# Altium PCB OCP-TimeCardMini-TI_V1.PcbDoc (part 10 of 11) (continued)
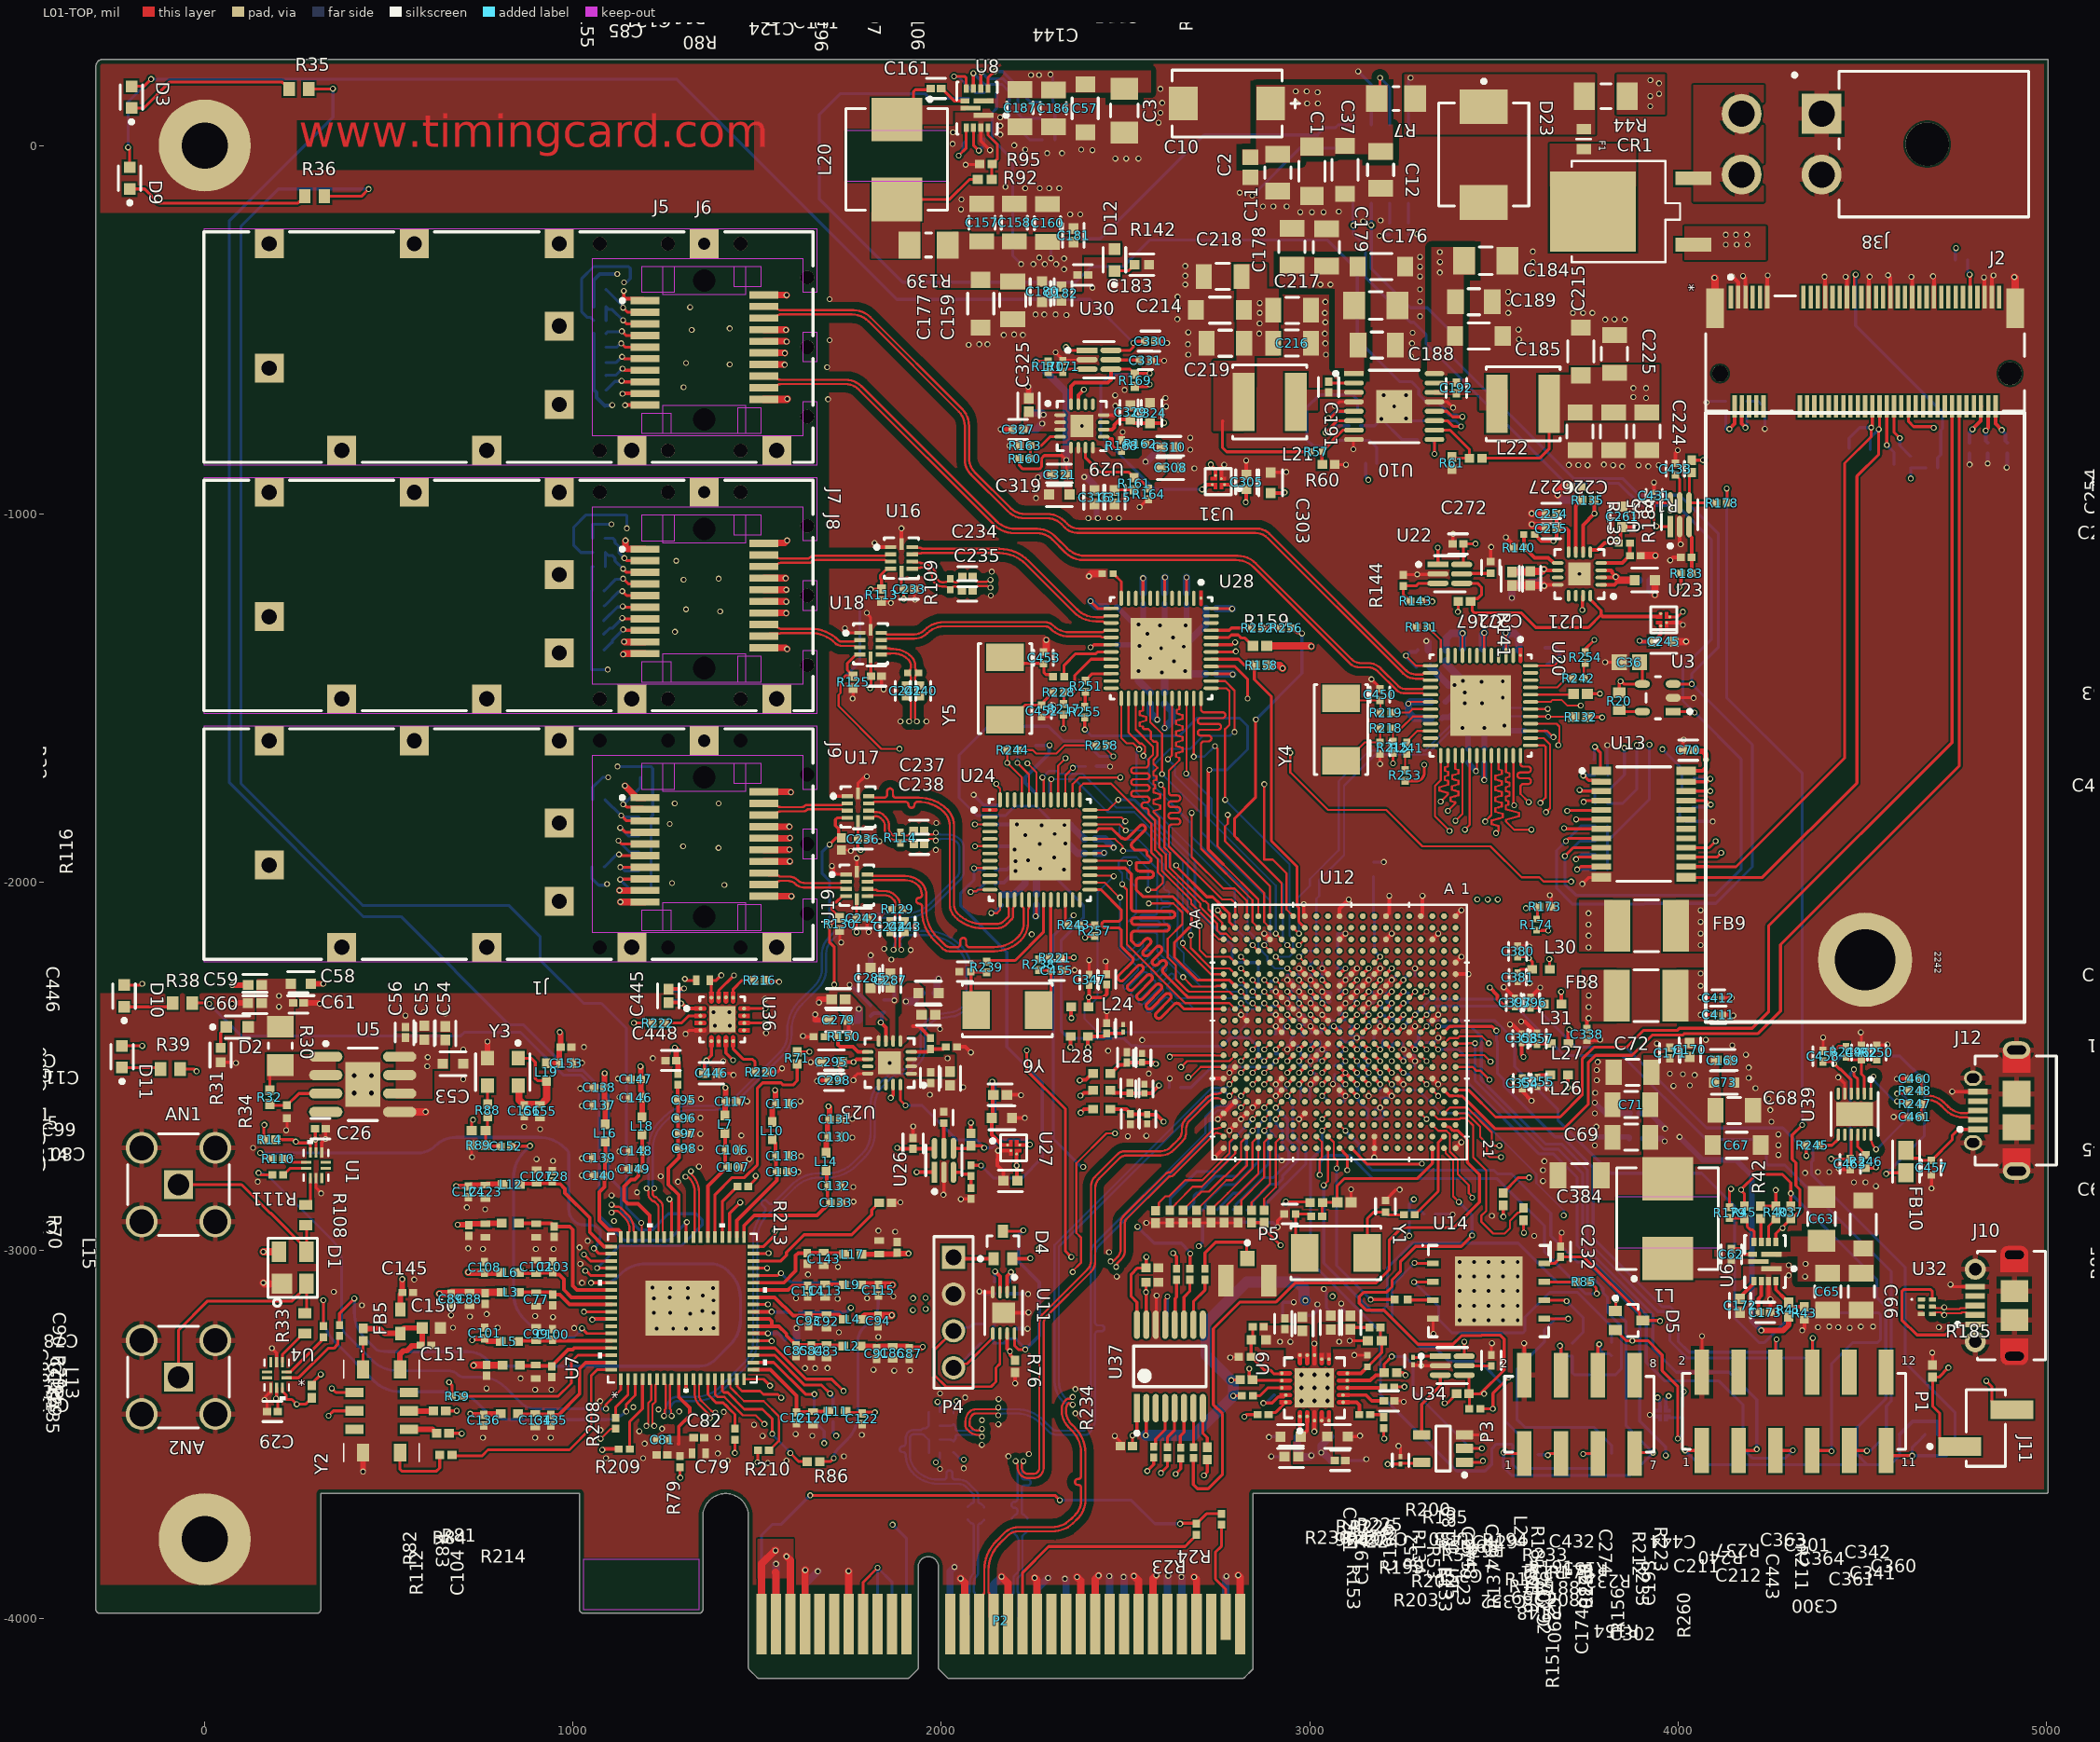
[diagram p0: L01-TOP view]
## Nets (pads, with @x,y where several pads share a name; then routed paths per layer and width w, separated by ;. In a path a pad name is that pad's centre, name@x,y a point inside that pad or via, vN(x,y) a via of type N, cw(c..) or ccw(c..) an arc to the next point about the centre after c; other vN are vias at no path point) (continued)
  L10-BOT w8: C350.1@2932.89,-2562.19 2934.69,-2562.19 2935.86,-2561.02 2935.86,-2554.84 2939.49,-2551.21 v2(2939.49,-2549.05)
VDDA_PLL0: C362.1 C363.1 C364.1 L29.2 U12.N12 | length 673
  L01-TOP w10: L29.2@2459.15,-2519.17 2460.63,-2519.17 2483.93,-2495.87 C363.1@2499.32,-2495.87 ; C363.1@2503.43,-2489.96 2503.62,-2489.77 2544.89,-2489.77 C364.1@2545.08,-2489.57 2578.44,-2489.57 v1(2582.55,-2493.68) ; v2(3002.48,-2454.56) U12.N12@3018.23,-2438.81
  L06-PWR w6.9: 2806.62,-2501.8 3008.58,-2501.8 3018.48,-2491.9 3018.48,-2479.43
  L06-PWR w8: v1(2582.55,-2493.68) 2635.5,-2493.68 2643.98,-2485.2 2735.68,-2485.2 2772.28,-2485.2 2788.89,-2501.8 2806.62,-2501.8 ; v2(3002.48,-2454.56) 3002.48,-2454.83 3016.48,-2468.84 3016.48,-2477.43 3018.48,-2479.43
  L10-BOT w8: v2(3002.48,-2454.56) 3004.01,-2453.03 3004.01,-2437.44 3005.83,-2435.62 3005.83,-2433.82 3007,-2432.65 C362.1@3008.8,-2432.65
VDDA_PLL1: C379.1 C380.1 C381.1 L30.2 U12.H9 | length 150
  L01-TOP w8: C381.1@3564.69,-2246.19 3564.69,-2244.75 3572.52,-2236.93 L30.2@3604.35,-2236.93 3604.35,-2215.86 v1(3594.7,-2206.21) 3592.54,-2206.21 3588.49,-2202.16 C380.1@3564.69,-2202.16
  L01-TOP w10: U12.H9@3175.71,-2344.32 v2(3191.45,-2328.57)
  L10-BOT w8: v2(3191.45,-2328.57) 3191.45,-2330.74 3194.22,-2333.51 3194.22,-2340.95 3195.39,-2342.12 C379.1@3197.19,-2342.12
VDDA_PLL2: C395.1 C396.1 C397.1 L31.2 U12.J11 | length 298.2
  L01-TOP w10: U12.J11@3144.21,-2407.31 v2(3159.96,-2391.57) ; v3(3488.93,-2285.93) 3510.17,-2307.17 3510.17,-2317.81 3531.58,-2339.23 C397.1@3557.37,-2339.23 3558.25,-2340.11 3598.38,-2340.11 C396.1@3599.26,-2340.99 3624.52,-2340.99 3634.68,-2330.84 L31.2@3636.16,-2330.84
  L05-PWR w10: 3431.28,-2343.57 v3(3488.93,-2285.93)
  L10-BOT w8: v2(3159.96,-2391.57) 3161.4,-2390.12 C395.1@3161.4,-2378.29
VDDA_SYS_MON: R173.2 R174.1 U12.K10 | length 89
  L01-TOP w5.8: U12.K10@3112.71,-2375.82 v2(3128.46,-2360.07)
  L01-TOP w8: v1(3587.39,-2070.74) 3617.53,-2070.74 R173.2@3618.67,-2069.6 ; R174.1@3615.92,-2099.56 3618.67,-2096.81 R173.2@3618.67,-2069.6 ; R173.2@3621.42,-2066.85 R173.2@3618.67,-2069.6
VDDAR_0P85_SERDES0: C343.1 C344.1 C345.1 C346.1 C347.1 C348.1 C349.1 L24.2 U12.P11 U12.P12 U12.P13 | length 311
  L01-TOP w10: L24.2@2399.61,-2338.96 2399.61,-2313.09 v1(2400.16,-2312.54) ; C347.1@2401.26,-2279.53 2400.71,-2280.08 2400.71,-2311.99 v1(2400.16,-2312.54) ; C348.1@2448.82,-2278.21 2448.82,-2303.49 2438.98,-2313.33 2400.95,-2313.33 v1(2400.16,-2312.54) ; v2(2970.98,-2486.05) U12.P13@2986.73,-2470.31 ; v2(2970.98,-2454.56) U12.P12@2986.73,-2438.81 ; v2(2970.98,-2391.57) U12.P11@2986.73,-2407.31
  L10-BOT w8: C344.1@2964.85,-2442.78 2966.65,-2442.78 2967.82,-2443.95 2967.82,-2449.23 2970.98,-2452.39 v2(2970.98,-2454.56) 2970.98,-2456.72 2975.61,-2461.35 2975.61,-2469.9 2976.78,-2471.07 C343.1@2978.58,-2471.07 ; C346.1@2984.93,-2418.73 2983.13,-2418.73 2978.03,-2413.62 2978.03,-2400.77 2970.98,-2393.73 v2(2970.98,-2391.57) 2973.15,-2391.57 2977.04,-2387.67 2984.3,-2387.67 2985.47,-2386.5 C345.1@2985.47,-2384.7
  L10-BOT w10: v2(2970.98,-2486.05) 2972.13,-2487.2 2972.13,-2493.88 2977.17,-2498.92 C349.1@2978.97,-2498.92
VDDAR_0P85_USB0: C359.1 C360.1 C361.1 L28.2 U12.T12 | length 717.1
  L01-TOP w10: v1(2398.01,-2448.58) 2397.95,-2448.52 L28.2@2397.95,-2419.04 2442.32,-2419.04 2448.82,-2412.54 C360.1@2448.82,-2410.74 2491.02,-2410.74 2493.16,-2408.61 C361.1@2493.16,-2406.81 ; v2(2907.99,-2454.56) U12.T12@2923.74,-2438.81
  L06-PWR w10: v1(2398.01,-2448.58) 2436.12,-2410.47 2778.7,-2410.47 2791.09,-2422.86 2876.29,-2422.86 v2(2907.99,-2454.56)
  L10-BOT w8: v2(2907.99,-2454.56) 2907.99,-2466.25 C359.1@2915.18,-2466.25
VPP_1V8: J11.1 R185.1 U12.G15 | length 2331.6
  L01-TOP w5.8: U12.G15@3207.2,-2533.3 v2(3222.95,-2549.05)
  L01-TOP w8: v1(4734.06,-3318.35) 4708.29,-3344.11 R185.1@4691.17,-3344.11 4691.17,-3422.43 4710.5,-3441.76 4710.5,-3511.28 4731.5,-3532.28 J11.1@4764.76,-3532.28
  L08-SIG w8: v1(3689.9,-2904.64) 3844.19,-3058.93 4212.27,-3058.93 4261.98,-3108.64 4688.26,-3108.64 4705.6,-3125.98 4759.84,-3125.98 4780.51,-3146.65 4780.51,-3208.66 4734.06,-3255.11 v1(4734.06,-3318.35)
  L10-BOT w5.8: v2(3222.95,-2549.05) 3238.44,-2564.54 3295.03,-2564.54 3357.34,-2626.84 3448.96,-2626.84 3615.26,-2793.15 3615.26,-2817.08 3689.9,-2891.72 v1(3689.9,-2904.64)
pads on no net: J2. J2.1 J2.6 J2.7 J2.8 J2.9 J2.10 J2.21 J2.23 J2.24 J2.25 J2.26 J2.28 J2.29 J2.30 J2.31 J2.32 J2.34 J2.36 J2.37 J2.38 J2.41 J2.43 J2.47 J2.49 J2.52 J2.53 J2.54 J2.55 J2.56 J2.58 J2.59 J2.60 J2.61 J2.63 J2.65 J2.66 J2.68 J2.69 J2.75 J6.MH1 J6.MH2 J8.MH1 J8.MH2 J9.MH1 J9.MH2 J10.4 J12.4 J38. P1.4 P1.10 P1.12 P2.A5 P2.A6 P2.A7 P2.A8 P2.A19 P2.A21 P2.A22 P2.A25 P2.A26 P2.A29 P2.A30 P2.A32 P2.B5 P2.B6 P2.B9 P2.B10 P2.B11 P2.B12 P2.B19 P2.B20 P2.B23 P2.B24 P2.B27 P2.B28 P2.B30 P3.8 U1.5 U1.6 U1.7 U4.5 U4.6 U4.7 U5.4 U11.1 U12.A7 U12.A8 U12.A9 U12.A10 U12.A11 U12.A15 U12.A17 U12.AA4 U12.AA5 U12.B6 U12.B7 U12.B8 U12.B9 U12.B10 U12.B14 U12.B15 U12.B17 U12.C6 U12.C7 U12.C8 U12.C9 U12.C13 U12.C14 U12.C17 U12.C20 U12.D6 U12.D7 U12.D9 U12.D14 U12.D16 U12.D17 U12.D19 U12.D20 U12.D21 U12.E6 U12.E7 U12.E9 U12.E14 U12.E15 U12.E16 U12.E20 U12.E21 U12.F12 U12.F17 U12.F18 U12.F19 U12.F20 U12.F21 U12.G13 U12.G17 U12.G18 U12.G19 U12.G20 U12.G21 U12.H16 U12.H17 U12.H18 U12.H19 U12.J16 U12.J17 U12.J18 U12.J19 U12.J20 U12.J21 U12.K1 U12.K2 U12.K18 U12.K19 U12.K20 U12.L20 U12.N16 U12.N17 U12.N21 U12.P4 U12.P16 U12.P17 U12.P19 U12.R3 U12.R5 U12.R17 U12.R18 U12.R19 U12.R20 U12.R21 U12.T2 U12.T4 U12.T6 U12.T19 U12.T21 U12.U5 U12.U6 U12.V3 U12.V6 U12.V16 U12.W3 U12.W4 U12.W15 U12.W19 U12.Y4 U12.Y18 U13.17 U13.18 U13.19 U13.20 U20.1 U20.2 U20.4 U20.5 U20.7 U20.8 U20.10 U20.11 U20.21 U20.23 U20.24 U21.11 U21.13 U21.14 U24.1 U24.2 U24.4 U24.5 U24.7 U24.8 U24.10 U24.11 U24.21 U24.23 U24.24 U25.11 U25.13 U25.14 U28.1 U28.2 U28.4 U28.5 U28.7 U28.8 U28.10 U28.11 U28.21 U28.23 U28.24 U29.11 U29.13 U29.14 U32.1 U32.2 U36.3 U36.6 U36.9 U36.11 U36.14 U37.3 U37.9 U39.6 U39.8 U39.11 Y2.4 Y2.9

## Polygon pours and split planes (outlines as drawn)
GND on L02-GND "GND_L02_P119" (solid, remove dead copper, pour order 119): 296.41,-3964 296.41,-3640 1036.41,-3640 1036.41,-3964 1333.41,-3964 1333.41,-3682 1378.41,-3637 1450.41,-3637 1496.41,-3683 1496.41,-4131 1507.41,-4142 1905.41,-4142 1917.41,-4130 1917.41,-3838 1949.41,-3806 1977.41,-3806 2009.41,-3838 2009.41,-4131 2022.41,-4144 2815.41,-4144 2829.41,-4130 2829.41,-3643 5005.01,-3643 5005.01,214.08 -265.51,214.08 -277.59,202 -277.59,-3964
P1V2 on L08-SIG "P1V2_L08_P087" (solid, remove dead copper, pour order 87): 3277.73,-2321.9 3033.97,-2321.9 3033.97,-1996.29 3555.12,-1996.29 3555.12,-2321.84 3268.16,-2321.84 3268.16,-2321.9
SOC_DVDD3V3 on L08-SIG "SOC_DVDD3V3_L08_P079" (solid, remove dead copper, pour order 79): 3207.42,-2427.66 3207.42,-2533.18 3275.94,-2533.18 3275.94,-2427.66
SOC_DVDD1V8 on L08-SIG "SOC_DVDD1V8_L08_P086" (solid, remove dead copper, pour order 86): 3308.97,-2427.66 3049.47,-2427.66 3049.47,-2607.34 3320.94,-2607.34 3320.94,-2424.23 3295.02,-2424.23
P3V3 on L08-SIG "P3V3_L08_P084" (solid, remove dead copper, pour order 84): 3071.99,-3085.92 3108.51,-3122.44 3204.3,-3122.44 3320.94,-3239.08 3556.32,-3239.08 3671.64,-3354.4 4048.29,-3354.4 4064.96,-3371.07 4064.96,-3571.29 3606.44,-3571.29 3585.64,-3592.08 2899.38,-3592.08 2820.92,-3513.63 2820.92,-3162.95 2897.95,-3085.92
GND on L01-TOP "GND_L01_P110" (solid, remove dead copper, pour order 110): 1717.34,233.94 -295.45,233.94 -295.45,-182.92 1696.24,-182.92 1696.24,-2301.73 -295.45,-2301.73 -295.45,-3908.24 5005.01,-3908.24 5005.01,248.03 3779.53,248.03
SOC_DVDD1V8 on L01-TOP "SOC_DVDD1V8_L01_P047" (solid, remove dead copper, pour order 47): 3826.29,-2048.22 3731.26,-2048.22 3731.26,-2188.18 3823.98,-2188.18
P12V_PCIE on L01-TOP "P12V_PCIE_L01_P069" (solid, remove dead copper, pour order 69): 1500.82,-3784.58 1500.82,-3889.37 1598.51,-3889.37 1598.51,-3783.1 1502.5,-3783.1
P2V5_PHY2 on L01-TOP "P2V5_PHY2_L01_P058" (solid, remove dead copper, pour order 58): 1883.77,-2431.5 1883.77,-2366.63 1893.61,-2356.79 1893.61,-2288 1907.39,-2274.22 1937.67,-2274.22 1951.29,-2287.84 1951.29,-2337.81 1960.31,-2346.83 1960.31,-2384.69 1929.24,-2415.75 1905.43,-2415.75 1905.43,-2430.52 1893.61,-2442.33
P1V8_PHY2 on L01-TOP "P1V8_PHY2_L01_P057" (solid, remove dead copper, pour order 57): 1873.93,-2431.5 1873.93,-2334.02 1883.86,-2324.1 1883.86,-2280.91 1874.43,-2271.49 1824.25,-2271.49 1821.51,-2274.22 1793.96,-2274.22 1793.96,-2304.72 1860.26,-2371.03 1860.26,-2427.68 1864.09,-2431.5
P1V1_PHY2 on L01-TOP "P1V1_PHY2_L01_P055" (solid, remove dead copper, pour order 55): 1834.56,-2431.5 1834.56,-2411.87 1816.77,-2394.09 1787.31,-2394.09 1787.31,-2339.33 1752.97,-2304.99 1723.86,-2304.99 1723.86,-2350.01 1734.02,-2360.17 1734.02,-2404.87 1739.34,-2410.19 1739.34,-2427.9 1759.02,-2427.9 1762.62,-2431.5 1829.64,-2431.5
P3V3 on L01-TOP "P3V3_L01_P053" (solid, remove dead copper, pour order 53): 2006.62,-2475.79 2006.62,-2468.45 2036.46,-2468.45 2036.46,-2528.54 1980.53,-2528.54 1980.53,-2528.22 1907.39,-2528.22 1907.39,-2475.79
P1V1_PHY1 on L01-TOP "P1V1_PHY1_L01_P052" (solid, remove dead copper, pour order 52): 2406.19,-820.37 2406.19,-847.3 2435.23,-876.34 2535.28,-876.34 2565.9,-906.96 2593.02,-906.96 2608.39,-891.59 2608.39,-813.98 2595.1,-800.69 2554.22,-800.69 2544.45,-810.45 2544.45,-840.19 2534.61,-850.03 2460.5,-850.03 2430.84,-820.37 2416.03,-820.37
P1V8_PHY1 on L01-TOP "P1V8_PHY1_L01_P051" (solid, remove dead copper, pour order 51): 2362.59,-817.77 2362.59,-866.14 2362.59,-947.78 2483.07,-947.78 2483.07,-878.94 2386.5,-878.94 2386.5,-820.37
P2V5_PHY1 on L01-TOP "P2V5_PHY1_L01_P050" (solid, remove dead copper, pour order 50): 2356.71,-815.15 2356.71,-934 2361.6,-934 2361.6,-961.56 2334.04,-961.56 2334.04,-907.64 2324.08,-907.64 2324.08,-815.15
P3V3 on L01-TOP "P3V3_L01_P049" (solid, remove dead copper, pour order 49): 2223.84,-723.27 2333.35,-723.27 2333.35,-776.08 2222.89,-776.08 2222.89,-725.64 2228.89,-725.64
SOC_DVDD3V3 on L01-TOP "SOC_DVDD3V3_L01_P048" (solid, remove dead copper, pour order 48): 3833.35,-2238.27 3738.54,-2238.27 3738.54,-2378.23 3833.35,-2378.23
P3V3 on L01-TOP "P3V3_L01_P046" (solid, remove dead copper, pour order 46): 3992.86,-2238.27 4074.8,-2238.27 4074.8,-2378.23 4001.63,-2378.23
P1V8 on L01-TOP "P1V8_L01_P045" (solid, remove dead copper, pour order 45): 3994.43,-2048.22 4074.8,-2048.22 4074.8,-2188.18 3994.43,-2188.18
P0V75 on L01-TOP "P0V75_L01_P044" (solid, remove dead copper, pour order 44): 4040.53,-2864.22 4040.53,-2765.63 4116.01,-2765.63 4116.01,-2557.57 4111.86,-2557.57 4111.86,-2470.54 3906.28,-2470.54 3906.28,-2747.55 3769.59,-2747.55 3769.59,-2864.22 3942.57,-2864.22
NetC62_1 on L01-TOP "NETC62_1_L01_P043" (solid, remove dead copper, pour order 43): 4218.43,-3023.28 4092.45,-3023.28 4092.45,-2988.19 4004.13,-2988.19 4004.13,-3074.95 4170.92,-3074.95 4170.92,-3037.06 4205.58,-3037.06
P12V on L01-TOP "P12V_L01_P042" (solid, remove dead copper, pour order 42): 4239.96,-3003.59 4306.39,-3003.59 4306.39,-2962.65 4427.06,-2962.65 4427.06,-2972.57 4531.18,-2972.57 4531.18,-3084.36 4325.03,-3084.36 4325.03,-3017.37 4264.69,-3017.37
P1V8_CPU_ANA on L01-TOP "P1V8_CPU_ANA_L01_P041" (solid, remove dead copper, pour order 41): 2998.78,-3292.48 2998.78,-3203.93 2886.24,-3203.93 2886.24,-3196.81 2864.2,-3196.81 2864.2,-3230.28 2868.6,-3230.28 2868.6,-3263.97 2935.86,-3263.97 2935.86,-3292.48
P0V85 on L01-TOP "P0V85_L01_P040" (solid, remove dead copper, pour order 40): 3057.28,-3295.24 3057.28,-3261.54 3123.38,-3261.54 3123.38,-3199.59 3096.91,-3199.59 3096.91,-3200.53 3027.12,-3200.53 3027.12,-3295.24 3027.67,-3295.24
P3V3 on L01-TOP "P3V3_L01_P039" (solid, remove dead copper, pour order 39): 2962,-3491.65 3027.12,-3491.65 3027.12,-3453.5 3057.83,-3453.5 3057.83,-3491.58 3061.81,-3491.58 3061.81,-3560 3079.18,-3560 3079.18,-3580.16 2955.07,-3580.16 2955.07,-3519.21 2962,-3519.21
P1V8_DPLL on L01-TOP "P1V8_DPLL_L01_P038" (solid, remove dead copper, pour order 38): 241.86,-2421.8 241.86,-2338.33 265.92,-2338.33 265.92,-2318.16 247.17,-2318.16 247.17,-2262.07 139.64,-2262.07 139.64,-2266.19 140.59,-2266.19 140.59,-2377.57 102.25,-2377.57 102.25,-2421.8 185.72,-2421.8
P1V8_SENSE on L01-TOP "P1V8_SENSE_L01_P037" (solid, remove dead copper, pour order 37): 344.91,-2537.74 169.02,-2537.74 169.02,-2467.07 356.07,-2467.07 356.07,-2523.17
P3V3 on L01-TOP "P3V3_L01_P036" (solid, remove dead copper, pour order 36): 555.18,-2410.66 555.18,-2413.55 639.62,-2413.55 639.62,-2414.47 666.09,-2414.47 666.09,-2443.58 660.19,-2443.58 660.19,-2506.64 617.67,-2506.64 617.67,-2587.74 519.33,-2587.74 519.33,-2410.66 545.1,-2410.66
DPLL_VDD_DIG on L01-TOP "DPLL_VDD_DIG_L01_P035" (solid, remove dead copper, pour order 35): 1245.9,-3503.46 1316.11,-3503.46 1316.11,-3498.54 1338.99,-3498.54 1338.99,-3518.7 1331.75,-3518.7 1331.75,-3565.01 1244.5,-3565.01 1244.5,-3544.85 1245.9,-3544.85 1245.9,-3523.62
P1V8 on L01-TOP "P1V8_L01_P034" (solid, remove dead copper, pour order 34): 3650.3,-622.51 3709.12,-622.51 3709.12,-602.28 3794.02,-602.28 3794.02,-595.13 3948.98,-595.13 3948.98,-746.59 3689.85,-746.59 3689.85,-779.99 3650.3,-779.99
NetC192_1 on L01-TOP "NETC192_1_L01_P033" (solid, remove dead copper, pour order 33): 3338.69,-663.58 3538.09,-663.58 3538.09,-719.52 3460.54,-719.52 3460.54,-677 3338.69,-677
P12V on L01-TOP "P12V_L01_P031" (solid, remove dead copper, pour order 31): 3448.8,-275.49 3448.8,-350.54 3418.52,-350.54 3418.52,-457.64 3415.93,-457.64 3415.93,-625.82 3318.71,-625.82 3318.71,-533.84 3330.06,-533.84 3330.06,-275.49 3397.33,-275.49
P12V on L01-TOP "P12V_L01_P030" (solid, remove dead copper, pour order 30): 3063.64,-388.07 2918.46,-388.07 2918.46,-302.22 3011.87,-302.22 3011.87,-304.1 3079.05,-304.1 3079.05,-302.4 3151.32,-302.4 3151.32,-355.55 3149.92,-355.55 3149.92,-508.2 3154.55,-508.2 3154.55,-575.37 3146.83,-575.37 3146.83,-625.82 3093.47,-625.82 3093.47,-603.72 3069.11,-603.72 3069.11,-388.43 3047.24,-388.43
NetC191_2 on L01-TOP "NETC191_2_L01_P029" (solid, remove dead copper, pour order 29): 2946.97,-663.58 2946.97,-719.52 3021.59,-719.52 3021.59,-682 3140.91,-682 3140.91,-663.58
P1V2 on L01-TOP "P1V2_L01_P028" (solid, remove dead copper, pour order 28): 2850.15,-655.67 2850.15,-570.46 2915.23,-570.46 2915.23,-389.09 2883.44,-389.09 2883.44,-321.91 2801.32,-321.91 2801.32,-420.43 2802.31,-420.43 2802.31,-584.25 2738.42,-584.25 2738.42,-775.16 2820.62,-775.16
P3V3 on L01-TOP "P3V3_L01_P027" (solid, remove dead copper, pour order 27): 2030.31,-233.79 2076.29,-233.79 2076.29,-247.49 2345.26,-247.49 2345.26,-248.06 2371.74,-248.06 2371.74,-265.27 2485.92,-265.27 2485.92,-296.77 2381.32,-296.77 2381.32,-396.84 2312.45,-396.84 2312.45,-383.06 2227.32,-383.06 2227.32,-390.62 2160.15,-390.62 2160.15,-386.24 1988.02,-386.24 1988.02,-306.62
P3V3_SENSE on L01-TOP "P3V3_SENSE_L01_P026" (solid, remove dead copper, pour order 26): 1947.67,-183.15 1942.75,-183.15 1942.75,-306.62 1809.87,-306.62 1809.87,-177.94
NetC161_1 on L01-TOP "NETC161_1_L01_P025" (solid, remove dead copper, pour order 25): 2079.4,108.56 1901.57,108.56 1901.57,57.92 2031.5,57.92 2031.5,94.78 2065.78,94.78
P12V on L01-TOP "P12V_L01_P024" (solid, remove dead copper, pour order 24): 2114.83,128.24 2150.26,128.24 2150.26,203.17 2569.2,203.17 2569.2,144.54 2337.55,144.54 2337.55,129.17 2174.05,129.17 2174.05,101.67 2145.81,101.67 2145.81,114.46 2114.83,114.46
P12V on L01-TOP "P12V_L01_P023" (solid, remove dead copper, pour order 23): 3211.57,164.11 2854.92,164.11 2854.92,-10.83 2816.93,-10.83 2816.93,-52.17 2879.8,-52.17 2879.8,-46.12 2974.59,-46.12 2974.59,-27.56 3069.11,-27.56 3069.11,-22.64 3158.99,-22.64 3158.99,-38.45 3226.16,-38.45 3226.16,56.1 3211.57,56.1 3211.57,104.67
P12V_SENS on L01-TOP "P12V_SENS_L01_P022" (solid, remove dead copper, pour order 22): 3256.85,30.35 3256.85,192.91 3774.61,192.91 3774.61,30.35 3763.78,30.35
P12V_PCIE on L01-TOP "P12V_PCIE_L01_P020" (solid, remove dead copper, pour order 20): 3833.66,192.91 3964.57,192.91 3964.57,84.61 3833.66,84.61 3833.66,109.99
NetCR1_2 on L01-TOP "NETCR1_2_L01_P019" (solid, remove dead copper, pour order 19): 3885.58,4.37 3885.58,-110.51 3652.58,-110.51 3652.58,4.37 3744.09,4.37
P12V_PCIE on L01-TOP "P12V_PCIE_L01_P018" (solid, remove dead copper, pour order 18): 4018.28,-219.49 4238.19,-219.49 4238.19,-310.33 4018.28,-310.33
NetCR1_3 on L01-TOP "NETCR1_3_L01_P017" (solid, remove dead copper, pour order 17): 4232.28,164.11 4232.28,-152.56 4041.58,-152.56 4041.58,164.11
GND on L10-BOT "GND_L10_P109" (solid, remove dead copper, pour order 109): -287.47,231.14 -287.47,-3897.4 5005.02,-3897.4 5005.02,233.94 2199.64,233.94
P1V8 on L10-BOT "P1V8_L10_P108" (solid, remove dead copper, pour order 108): 3718.75,-583.9 3809.61,-583.9 3814.36,-588.66 3889.49,-588.66 3935.25,-634.42 3935.25,-730.01 3901.64,-763.62 3783.93,-763.62 3773.11,-752.79 3714.68,-752.79 3714.68,-587.98
P0V85 on L10-BOT "P0V85_L10_P091" (solid, remove dead copper, pour order 91): 3044.04,-3209.55 3089.24,-3209.55 3100.06,-3198.73 3120.23,-3198.73 3120.23,-3221.6 3120.56,-3221.6 3144.33,-3245.37 3143.82,-3245.88 3143.82,-3268.21 3047.28,-3268.21 3043.2,-3264.13 3044.04,-3263.28
P1V8_CPU_ANA on L10-BOT "P1V8_CPU_ANA_L10_P090" (solid, remove dead copper, pour order 90): 2913.53,-3201.43 2940.01,-3201.43 2956.28,-3217.71 2994.06,-3217.71 2994.06,-3262.66 2976.39,-3280.33 2896.86,-3280.33 2893.11,-3276.57 2893.11,-3221.85
P1V2 on L10-BOT "P1V2_L10_P089" (solid, remove dead copper, pour order 89): 2797.29,-404.67 2797.29,-831.54 2864.02,-831.54 2864.02,-1256.96 3687.12,-1256.96 3687.12,-1635.67 3493.47,-1635.67 3493.47,-1747.74 3325.88,-1747.74 3325.88,-2077.14 3651.7,-2077.14 3651.7,-1812.16 3757.24,-1812.16 3757.24,-1613.09 3992.86,-1613.09 3992.86,-1336.67 4061.16,-1336.67 4061.16,-1009.53 3103.45,-1009.53 3103.45,-551.04 2879.09,-551.04
P1V2 on L10-BOT "P1V2_L10_P088" (solid, remove dead copper, pour order 88): 2923.04,-533.84 2929.45,-533.84 2929.45,-640.76 2747.77,-640.76 2747.77,-595.08 2799.42,-595.08 2799.42,-526.24 2797.29,-526.24 2797.29,-404.67 2923.04,-404.67 2923.04,-413.73
P3V3 on L10-BOT "P3V3_L10_P078" (solid, remove dead copper, pour order 78): 1995.08,-3078.14 1995.08,-3647.5 1598.51,-3647.5 1598.51,-3065.61 1990.62,-3065.61
P3V3 on L10-BOT "P3V3_L10_P077" (solid, remove dead copper, pour order 77): 4709.33,-780.39 4835.35,-780.39 4835.35,-242.13 4709.33,-242.13 4709.33,-280.21
P3V3 on L10-BOT "P3V3_L10_P076" (solid, remove dead copper, pour order 76): 4080.6,-742.32 4929.21,-742.32 4929.21,-940.94 4079.69,-940.94
P12V_PCIE on L10-BOT "P12V_PCIE_L10_P068" (solid, remove dead copper, pour order 68): 1531.1,-3783.84 1531.1,-3890.11 1597.67,-3890.11 1597.67,-3783.84
SFP3_VCCT on L10-BOT "SFP3_VCCT_L10_P067" (solid, remove dead copper, pour order 67): 1462.8,-1753.78 1502.17,-1753.78 1502.17,-1763.63 1562.19,-1763.63 1562.19,-1808.78 1592.52,-1808.78 1592.52,-1863.04 1604.57,-1863.04 1604.57,-1894.06 1449.6,-1894.06 1449.6,-1807.46 1462.8,-1807.46
SFP3_VCCR on L10-BOT "SFP3_VCCR_L10_P066" (solid, remove dead copper, pour order 66): 1453.65,-2016.58 1453.65,-1987.05 1453.84,-1987.05 1453.84,-1894.06 1604.57,-1894.06 1604.57,-1956.36 1596.31,-1956.36 1596.31,-1985.86 1574.6,-1985.86 1574.6,-1984.93 1563.26,-1984.93 1563.26,-1976.22 1510.53,-1976.22 1510.53,-2016.58 1471.37,-2016.58
P3V3 on L10-BOT "P3V3_L10_P065" (solid, remove dead copper, pour order 65): 1439.91,-1925.74 1444.15,-1925.74 1444.15,-1963.47 1400.6,-1963.47 1400.6,-1972.29 1289.13,-1972.29 1289.13,-1925.09 1348.48,-1925.09 1348.48,-1863.04 1332.04,-1863.04 1332.04,-1823.67 1342.89,-1823.67 1342.89,-1768.55 1372.42,-1768.55 1372.42,-1753.52 1430.55,-1753.52 1430.55,-1776.4 1439.91,-1776.4
SFP2_VCCR on L10-BOT "SFP2_VCCR_L10_P064" (solid, remove dead copper, pour order 64): 1469.65,-1226.43 1648.42,-1226.43 1648.42,-1289.95 1590.41,-1289.95 1590.41,-1349.02 1554.98,-1349.02 1554.98,-1337.3 1469.65,-1337.3 1469.65,-1286.63
SFP2_VCCT on L10-BOT "SFP2_VCCT_L10_P063" (solid, remove dead copper, pour order 63): 1595.71,-1097.11 1595.71,-1154.9 1640.75,-1154.9 1640.75,-1215.97 1469.65,-1215.97 1469.65,-1108.36 1528.24,-1108.36
P3V3 on L10-BOT "P3V3_L10_P062" (solid, remove dead copper, pour order 62): 1455.9,-1155.77 1459.96,-1155.77 1459.96,-1335.11 1387.18,-1335.11 1387.18,-1340.03 1351.75,-1340.03 1351.75,-1300.66 1354.7,-1300.66 1354.7,-1189.65 1351.97,-1189.65 1351.97,-1169.49 1353.28,-1169.49 1353.28,-1106.86 1455.9,-1106.86
SFP1_VCCR on L10-BOT "SFP1_VCCR_L10_P061" (solid, remove dead copper, pour order 61): 1502.88,-546.15 1639.56,-546.15 1639.56,-638.74 1626.97,-638.74 1626.97,-674.18 1597.44,-674.18 1597.44,-658.46 1505.99,-658.46 1505.99,-613.35 1502.88,-613.35
SFP1_VCCT on L10-BOT "SFP1_VCCT_L10_P060" (solid, remove dead copper, pour order 60): 1511.28,-418.85 1631.08,-418.85 1631.08,-478.68 1642.52,-478.68 1642.52,-541.34 1500.12,-541.34 1500.12,-454.29 1511.28,-454.29
P3V3 on L10-BOT "P3V3_L10_P059" (solid, remove dead copper, pour order 59): 1389.76,-423.23 1389.76,-491.35 1372.39,-491.35 1372.39,-576.77 1375,-576.77 1375,-612.2 1375.34,-612.2 1375.34,-675.09 1444.64,-675.09 1444.64,-674.21 1464.8,-674.21 1464.8,-613.35 1493.19,-613.35 1493.19,-575.63 1490.44,-575.63 1490.44,-412.4 1451.97,-412.4 1451.97,-423.23 1425.2,-423.23
GND on L07-GND "GND_L07_P016" (solid, remove dead copper, pour order 16): 296.41,-3964 296.41,-3640 1036.41,-3640 1036.41,-3964 1333.41,-3964 1333.41,-3682 1378.41,-3637 1450.41,-3637 1496.41,-3683 1496.41,-4131 1507.41,-4142 1905.41,-4142 1917.41,-4130 1917.41,-3838 1949.41,-3806 1977.41,-3806 2009.41,-3838 2009.41,-4131 2022.41,-4144 2815.41,-4144 2829.41,-4130 2829.41,-3643 5005.01,-3643 5005.01,214.08 -265.51,214.08 -277.59,202 -277.59,-3964
VDDA_1V8_SERDES on L06-PWR "VDDA_1V8_SERDES_L06_P074" (solid, remove dead copper, pour order 74): 2563.29,-2519.87 2897.95,-2519.87 2897.95,-2501.8 3012.65,-2501.8 3012.65,-2607.34 2563.29,-2607.34
SOC_DVDD1V8 on L06-PWR "SOC_DVDD1V8_L06_P075" (solid, remove dead copper, pour order 75): 3873.45,-2848 4200.87,-2848 4200.87,-2004.85 3708.65,-2004.85 3708.65,-2197.86 4076.94,-2197.86 4076.94,-2592.93 3857.01,-2592.93
SOC_DVDD1V8 on L06-PWR "L06-PWR-SOC_DVDD1V8" (solid, remove dead copper, pour order 80): 3243.02,-2848.97 3889.94,-2848.97 3889.94,-2592.93 3494.36,-2592.93 3494.36,-2486.82 3112.5,-2481.41 3112.5,-2653.06 3243.02,-2653.06
VDDAR_0P85_SERDES0 on L06-PWR "VDDAR_0P85_SERDES0_L06_P083" (solid, remove dead copper, pour order 83): 2984.03,-2350.86 2815.25,-2285.05 2382.45,-2286.44 2382.45,-2391.57 2843.7,-2391.57 2843.7,-2493.23 2984.03,-2493.23
P0V75 on L06-PWR "P0V75_L06_P116" (solid, remove dead copper, pour order 116): 2914.46,-2131.12 4067.55,-2131.12 4067.55,-2580.54 2916.5,-2580.54 2916.5,-2246.33
P3V3 on L06-PWR "P3V3_L06_P099" (solid, remove dead copper, pour order 99): 2423.43,-304.1 2835.92,-304.1 2835.92,-755.17 4199.68,-755.17 4199.68,-3227.41 1907.48,-3227.41 1907.48,-2441.88 2321.58,-2441.88 2321.58,-2933.1 4082.92,-2933.1 4082.92,-1770.67 3788.86,-1770.67 3788.86,-1396.85 3181.6,-1396.85 3181.6,-1068.27 2171.95,-1068.27 2171.95,-306.1
P3V3 on L06-PWR "P3V3_L06_P104" (solid, remove dead copper, pour order 104): 2449.35,-127.99 858.27,-127.99 858.27,-2290.12 78.74,-2290.12 78.74,-2204.72 -255.91,-2204.72 -255.91,-3577.03 929.13,-3577.03 929.13,-3225.51 1976.72,-3225.51 1976.72,-804.89 2444.8,-804.89
P12V on L06-PWR "P12V_L06_P103" (solid, remove dead copper, pour order 103): 2913.02,-326.83 2913.02,-736.55 4176.68,-736.55 4176.68,-3199.72 4618.81,-3199.72 4618.81,-333.55 3843.11,-333.55 3843.11,203.26 3353.45,203.26
P12V on L06-PWR "P12V_L06_P102" (solid, remove dead copper, pour order 102): 2205.54,216.54 2205.54,-107.28 2913.02,-107.28 2913.02,-428.2 3444.64,-428.2 3444.64,216.54 3154.55,216.54
P12V_PCIE on L06-PWR "P12V_PCIE_L06_P101" (solid, remove dead copper, pour order 101): 1519.68,-3732.28 1519.68,-3905.51 1815.86,-3905.51 1815.86,-3610.93 4964.57,-3610.93 4964.57,208.66 3921.26,208.66 3921.26,-310.33 4645.67,-310.33 4645.67,-3241.44 1519.6,-3241.44 1519.6,-3814.96
SOC_DVDD3V3 on L03-SIG "SOC_DVDD3V3_L03_P085" (solid, remove dead copper, pour order 85): 3081.2,-2020.68 3081.2,-2225.75 2896.59,-2225.75 2896.59,-2619.91 3372.56,-2619.91 3372.56,-2385.04 3820.07,-2385.04 3820.07,-2020.68
P1V8 on L03-SIG "P1V8_L03_P081" (solid, remove dead copper, pour order 81): 3855.43,-490.28 3855.43,-855.53 4171.28,-855.53 4171.28,-2035.39 3912.1,-2035.39 3912.1,-2206.21 4379.92,-2206.21 4379.92,-500.24
P3V3 on L05-PWR "P3V3_L05_P120" (solid, remove dead copper, pour order 120): 3994.43,-2057.58 3994.43,-2448.34 4379.92,-2448.34 4379.92,187.84 2130.32,187.84 2130.32,-688.98 3992.86,-688.98 3992.86,-2238.27
VDDA_SYS_MON on L05-PWR "VDDA_SYS_MON_L05_P092" (solid, remove dead copper, pour order 92): 3160.43,-2377.83 3109.21,-2377.83 3109.21,-1995.3 3617.29,-1995.3 3617.29,-2098.19 3160.43,-2098.19
VDDA_PLL1 on L05-PWR "VDDA_PLL1_L05_P093" (solid, remove dead copper, pour order 93): 3174.74,-2331.06 3174.74,-2163.35 3617.64,-2163.35 3617.64,-2238.64 3256.83,-2238.64 3256.83,-2346.21 3175.17,-2346.21 3175.17,-2310.48
VDDA_PLL2 on L05-PWR "VDDA_PLL2_L05_P094" (solid, remove dead copper, pour order 94): 3499.22,-2270.09 3301.23,-2270.09 3301.23,-2342.15 3136.69,-2342.15 3136.69,-2421.68 3210.95,-2421.68 3210.95,-2379.57 3497.24,-2379.57 3497.24,-2317.81
P0V85 on L05-PWR "P0V85_L05_P095" (solid, remove dead copper, pour order 95): 3138.71,-3200.53 3138.71,-3278.39 3057.28,-3278.39 3057.28,-3200.53 3071.06,-3200.53
P1V8_CPU_ANA on L05-PWR "P1V8_CPU_ANA_L05_P096" (solid, remove dead copper, pour order 96): 2903.32,-3211.64 2968.08,-3211.64 2968.08,-3280.33 2896.86,-3280.33 2896.86,-3211.78 2916.87,-3211.78
P0V85 on L05-PWR "P0V85_L05_P097" (solid, remove dead copper, pour order 97): 3138.71,-3209.24 3138.71,-2627.82 3027.12,-2627.82 3027.12,-3278.39 3097.99,-3278.39
P1V8_CPU_ANA on L05-PWR "P1V8_CPU_ANA_L05_P100" (solid, remove dead copper, pour order 100): 2967.04,-3226.33 2967.04,-3085.92 2834.27,-3085.92 2834.27,-3278.45 2942.51,-3278.45
P1V8_CPU_ANA on L05-PWR "P1V8_CPU_ANA_L05_P105" (solid, remove dead copper, pour order 105): 2968.08,-3185.28 2968.08,-3319.7 3625.87,-3319.7 3625.87,-2131.12 3972.18,-2131.12 3972.18,-3510.78 2768.27,-3510.78 2768.27,-3085.92 2897.95,-3085.92
P1V8_CPU_ANA on L05-PWR "P1V8_CPU_ANA_L05_P106" (solid, remove dead copper, pour order 106): 2445.97,-2527.24 2283.46,-2527.24 2283.46,-3310.44 2966,-3310.44 2966,-3104.07 2445.87,-3104.07 2445.87,-2574.62
P0V85 on L05-PWR "P0V85_L05_P107" (solid, remove dead copper, pour order 107): 3078.46,-2964.57 2447.87,-2964.57 2447.87,-2527.24 2245.36,-2527.24 2245.36,-2327.15 2386.32,-2327.15 2386.32,-2448.58 2571.34,-2448.58 2571.34,-2632.32 3074.54,-2632.32
P0V85 on L05-PWR "P0V85_L05_P113" (solid, remove dead copper, pour order 113): 3112.95,-2344.09 3112.95,-2471.18 3143.46,-2471.18 3143.46,-2521.83 2459.61,-2521.83 2459.61,-2343.57 3113.46,-2343.57
P1V8_DPLL on L05-PWR "P1V8_DPLL_L05_P114" (solid, remove dead copper, pour order 114): 131.19,-2243.29 131.19,-2637.74 519.33,-2637.74 519.33,-3629.92 1915.33,-3629.92 1915.33,-2475.8 1591.33,-2475.8 1591.33,-2247.42 135.83,-2247.42
P1V8_CPU_ANA on L05-PWR "P1V8_CPU_ANA_L05_P115" (solid, remove dead copper, pour order 115): 3711.8,-2374.57 3711.8,-2497.2 3147.32,-2497.2 3147.32,-2374.57
GND on L09-GND "GND_L09_P118" (solid, remove dead copper, pour order 118): 296.41,-3964 296.41,-3640 1036.41,-3640 1036.41,-3964 1333.41,-3964 1333.41,-3682 1378.41,-3637 1450.41,-3637 1496.41,-3683 1496.41,-4131 1507.41,-4142 1905.41,-4142 1917.41,-4130 1917.41,-3838 1949.41,-3806 1977.41,-3806 2009.41,-3838 2009.41,-4131 2022.41,-4144 2815.41,-4144 2829.41,-4130 2829.41,-3643 5005.01,-3643 5005.01,214.08 -265.51,214.08 -277.59,202 -277.59,-3964
GND on L04-GND "GND_L04_P117" (solid, remove dead copper, pour order 117): 296.41,-3964 296.41,-3640 1036.41,-3640 1036.41,-3964 1333.41,-3964 1333.41,-3682 1378.41,-3637 1450.41,-3637 1496.41,-3683 1496.41,-4131 1507.41,-4142 1905.41,-4142 1917.41,-4130 1917.41,-3838 1949.41,-3806 1977.41,-3806 2009.41,-3838 2009.41,-4131 2022.41,-4144 2815.41,-4144 2829.41,-4130 2829.41,-3643 5005.01,-3643 5005.01,214.08 -265.51,214.08 -277.59,202 -277.59,-3964